# KiCad board Breakout_1999_Dodge_Dakota.kicad_pcb (continued)
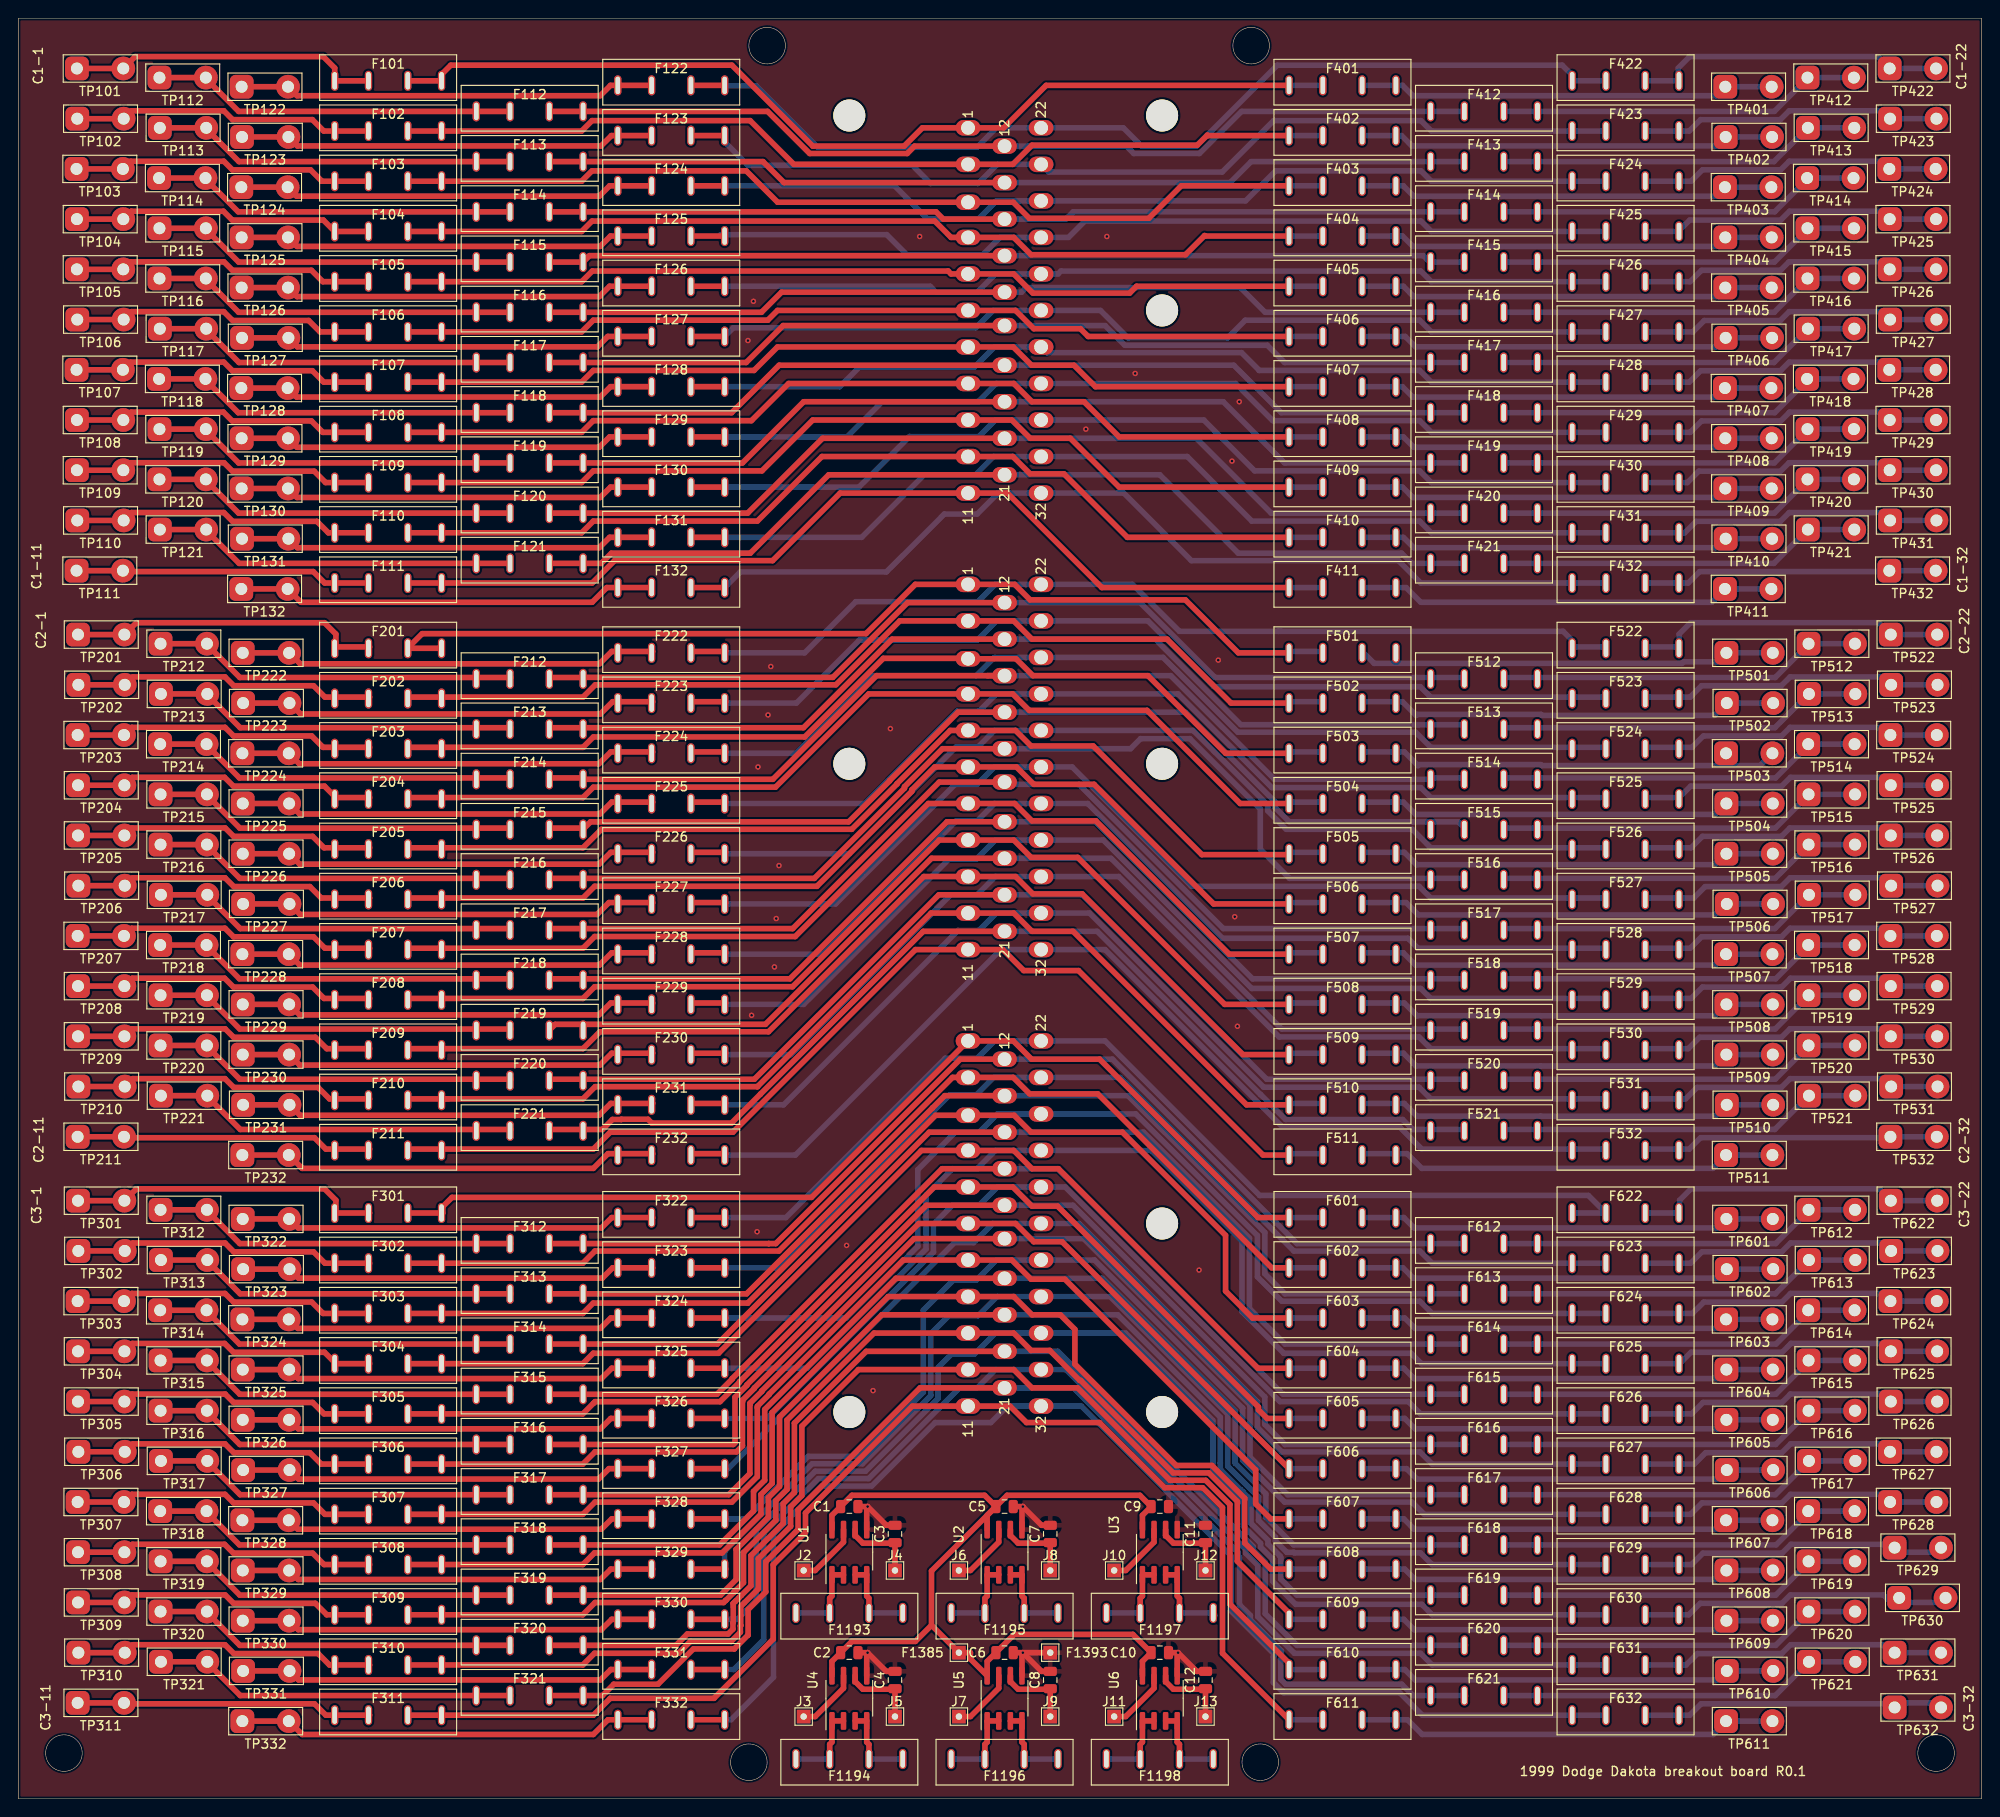
[diagram p0: board, top side]
## Placement (name value [footprint] x y rotation side) (continued)
TP214  TestPoint_2Pole  [TestPoint_2Pads_Pitch5.08mm_Drill1.3mm]  15.54 115.5 0 top
TP215  TestPoint_2Pole  [TestPoint_2Pads_Pitch5.08mm_Drill1.3mm]  15.58 110 0 top
TP216  TestPoint_2Pole  [TestPoint_2Pads_Pitch5.08mm_Drill1.3mm]  15.58 104.5 0 top
TP217  TestPoint_2Pole  [TestPoint_2Pads_Pitch5.08mm_Drill1.3mm]  15.62 99 0 top
TP218  TestPoint_2Pole  [TestPoint_2Pads_Pitch5.08mm_Drill1.3mm]  15.54 93.5 0 top
TP219  TestPoint_2Pole  [TestPoint_2Pads_Pitch5.08mm_Drill1.3mm]  15.58 88 0 top
TP220  TestPoint_2Pole  [TestPoint_2Pads_Pitch5.08mm_Drill1.3mm]  15.58 82.5 0 top
TP221  TestPoint_2Pole  [TestPoint_2Pads_Pitch5.08mm_Drill1.3mm]  15.62 77 0 top
TP222  TestPoint_2Pole  [TestPoint_2Pads_Pitch5.08mm_Drill1.3mm]  24.58 125.5 0 top
TP223  TestPoint_2Pole  [TestPoint_2Pads_Pitch5.08mm_Drill1.3mm]  24.62 120 0 top
TP224  TestPoint_2Pole  [TestPoint_2Pads_Pitch5.08mm_Drill1.3mm]  24.54 114.5 0 top
TP225  TestPoint_2Pole  [TestPoint_2Pads_Pitch5.08mm_Drill1.3mm]  24.58 109 0 top
TP226  TestPoint_2Pole  [TestPoint_2Pads_Pitch5.08mm_Drill1.3mm]  24.58 103.5 0 top
TP227  TestPoint_2Pole  [TestPoint_2Pads_Pitch5.08mm_Drill1.3mm]  24.62 98 0 top
TP228  TestPoint_2Pole  [TestPoint_2Pads_Pitch5.08mm_Drill1.3mm]  24.54 92.5 0 top
TP229  TestPoint_2Pole  [TestPoint_2Pads_Pitch5.08mm_Drill1.3mm]  24.58 87 0 top
TP230  TestPoint_2Pole  [TestPoint_2Pads_Pitch5.08mm_Drill1.3mm]  24.58 81.5 0 top
TP231  TestPoint_2Pole  [TestPoint_2Pads_Pitch5.08mm_Drill1.3mm]  24.62 76 0 top
TP232  TestPoint_2Pole  [TestPoint_2Pads_Pitch5.08mm_Drill1.3mm]  24.54 70.5 0 top
TP301  TestPoint_2Pole  [TestPoint_2Pads_Pitch5.08mm_Drill1.3mm]  6.54 65.5 0 top
TP302  TestPoint_2Pole  [TestPoint_2Pads_Pitch5.08mm_Drill1.3mm]  6.58 60 0 top
TP303  TestPoint_2Pole  [TestPoint_2Pads_Pitch5.08mm_Drill1.3mm]  6.5 54.5 0 top
TP304  TestPoint_2Pole  [TestPoint_2Pads_Pitch5.08mm_Drill1.3mm]  6.54 49 0 top
TP305  TestPoint_2Pole  [TestPoint_2Pads_Pitch5.08mm_Drill1.3mm]  6.54 43.5 0 top
TP306  TestPoint_2Pole  [TestPoint_2Pads_Pitch5.08mm_Drill1.3mm]  6.58 38 0 top
TP307  TestPoint_2Pole  [TestPoint_2Pads_Pitch5.08mm_Drill1.3mm]  6.5 32.5 0 top
TP308  TestPoint_2Pole  [TestPoint_2Pads_Pitch5.08mm_Drill1.3mm]  6.54 27 0 top
TP309  TestPoint_2Pole  [TestPoint_2Pads_Pitch5.08mm_Drill1.3mm]  6.54 21.5 0 top
TP310  TestPoint_2Pole  [TestPoint_2Pads_Pitch5.08mm_Drill1.3mm]  6.58 16 0 top
TP311  TestPoint_2Pole  [TestPoint_2Pads_Pitch5.08mm_Drill1.3mm]  6.5 10.5 0 top
TP312  TestPoint_2Pole  [TestPoint_2Pads_Pitch5.08mm_Drill1.3mm]  15.58 64.5 0 top
TP313  TestPoint_2Pole  [TestPoint_2Pads_Pitch5.08mm_Drill1.3mm]  15.62 59 0 top
TP314  TestPoint_2Pole  [TestPoint_2Pads_Pitch5.08mm_Drill1.3mm]  15.54 53.5 0 top
TP315  TestPoint_2Pole  [TestPoint_2Pads_Pitch5.08mm_Drill1.3mm]  15.58 48 0 top
TP316  TestPoint_2Pole  [TestPoint_2Pads_Pitch5.08mm_Drill1.3mm]  15.58 42.5 0 top
TP317  TestPoint_2Pole  [TestPoint_2Pads_Pitch5.08mm_Drill1.3mm]  15.62 37 0 top
TP318  TestPoint_2Pole  [TestPoint_2Pads_Pitch5.08mm_Drill1.3mm]  15.54 31.5 0 top
TP319  TestPoint_2Pole  [TestPoint_2Pads_Pitch5.08mm_Drill1.3mm]  15.58 26 0 top
TP320  TestPoint_2Pole  [TestPoint_2Pads_Pitch5.08mm_Drill1.3mm]  15.58 20.5 0 top
TP321  TestPoint_2Pole  [TestPoint_2Pads_Pitch5.08mm_Drill1.3mm]  15.62 15 0 top
TP322  TestPoint_2Pole  [TestPoint_2Pads_Pitch5.08mm_Drill1.3mm]  24.58 63.5 0 top
TP323  TestPoint_2Pole  [TestPoint_2Pads_Pitch5.08mm_Drill1.3mm]  24.62 58 0 top
TP324  TestPoint_2Pole  [TestPoint_2Pads_Pitch5.08mm_Drill1.3mm]  24.54 52.5 0 top
TP325  TestPoint_2Pole  [TestPoint_2Pads_Pitch5.08mm_Drill1.3mm]  24.58 47 0 top
TP326  TestPoint_2Pole  [TestPoint_2Pads_Pitch5.08mm_Drill1.3mm]  24.58 41.5 0 top
TP327  TestPoint_2Pole  [TestPoint_2Pads_Pitch5.08mm_Drill1.3mm]  24.62 36 0 top
TP328  TestPoint_2Pole  [TestPoint_2Pads_Pitch5.08mm_Drill1.3mm]  24.54 30.5 0 top
TP329  TestPoint_2Pole  [TestPoint_2Pads_Pitch5.08mm_Drill1.3mm]  24.58 25 0 top
TP330  TestPoint_2Pole  [TestPoint_2Pads_Pitch5.08mm_Drill1.3mm]  24.58 19.5 0 top
TP331  TestPoint_2Pole  [TestPoint_2Pads_Pitch5.08mm_Drill1.3mm]  24.62 14 0 top
TP332  TestPoint_2Pole  [TestPoint_2Pads_Pitch5.08mm_Drill1.3mm]  24.54 8.5 0 top
TP401  TestPoint_2Pole  [TestPoint_2Pads_Pitch5.08mm_Drill1.3mm]  186.92 187.5 0 top
TP402  TestPoint_2Pole  [TestPoint_2Pads_Pitch5.08mm_Drill1.3mm]  186.96 182 0 top
TP403  TestPoint_2Pole  [TestPoint_2Pads_Pitch5.08mm_Drill1.3mm]  186.88 176.5 0 top
TP404  TestPoint_2Pole  [TestPoint_2Pads_Pitch5.08mm_Drill1.3mm]  186.92 171 0 top
TP405  TestPoint_2Pole  [TestPoint_2Pads_Pitch5.08mm_Drill1.3mm]  186.92 165.5 0 top
TP406  TestPoint_2Pole  [TestPoint_2Pads_Pitch5.08mm_Drill1.3mm]  186.96 160 0 top
TP407  TestPoint_2Pole  [TestPoint_2Pads_Pitch5.08mm_Drill1.3mm]  186.88 154.5 0 top
TP408  TestPoint_2Pole  [TestPoint_2Pads_Pitch5.08mm_Drill1.3mm]  186.92 149 0 top
TP409  TestPoint_2Pole  [TestPoint_2Pads_Pitch5.08mm_Drill1.3mm]  186.92 143.5 0 top
TP410  TestPoint_2Pole  [TestPoint_2Pads_Pitch5.08mm_Drill1.3mm]  186.96 138 0 top
TP411  TestPoint_2Pole  [TestPoint_2Pads_Pitch5.08mm_Drill1.3mm]  186.88 132.5 0 top
TP412  TestPoint_2Pole  [TestPoint_2Pads_Pitch5.08mm_Drill1.3mm]  195.92 188.5 0 top
TP413  TestPoint_2Pole  [TestPoint_2Pads_Pitch5.08mm_Drill1.3mm]  195.96 183 0 top
TP414  TestPoint_2Pole  [TestPoint_2Pads_Pitch5.08mm_Drill1.3mm]  195.88 177.5 0 top
TP415  TestPoint_2Pole  [TestPoint_2Pads_Pitch5.08mm_Drill1.3mm]  195.92 172 0 top
TP416  TestPoint_2Pole  [TestPoint_2Pads_Pitch5.08mm_Drill1.3mm]  195.92 166.5 0 top
TP417  TestPoint_2Pole  [TestPoint_2Pads_Pitch5.08mm_Drill1.3mm]  195.96 161 0 top
TP418  TestPoint_2Pole  [TestPoint_2Pads_Pitch5.08mm_Drill1.3mm]  195.88 155.5 0 top
TP419  TestPoint_2Pole  [TestPoint_2Pads_Pitch5.08mm_Drill1.3mm]  195.92 150 0 top
TP420  TestPoint_2Pole  [TestPoint_2Pads_Pitch5.08mm_Drill1.3mm]  195.92 144.5 0 top
TP421  TestPoint_2Pole  [TestPoint_2Pads_Pitch5.08mm_Drill1.3mm]  195.96 139 0 top
TP422  TestPoint_2Pole  [TestPoint_2Pads_Pitch5.08mm_Drill1.3mm]  204.92 189.5 0 top
TP423  TestPoint_2Pole  [TestPoint_2Pads_Pitch5.08mm_Drill1.3mm]  204.96 184 0 top
TP424  TestPoint_2Pole  [TestPoint_2Pads_Pitch5.08mm_Drill1.3mm]  204.88 178.5 0 top
TP425  TestPoint_2Pole  [TestPoint_2Pads_Pitch5.08mm_Drill1.3mm]  204.92 173 0 top
TP426  TestPoint_2Pole  [TestPoint_2Pads_Pitch5.08mm_Drill1.3mm]  204.92 167.5 0 top
TP427  TestPoint_2Pole  [TestPoint_2Pads_Pitch5.08mm_Drill1.3mm]  204.96 162 0 top
TP428  TestPoint_2Pole  [TestPoint_2Pads_Pitch5.08mm_Drill1.3mm]  204.88 156.5 0 top
TP429  TestPoint_2Pole  [TestPoint_2Pads_Pitch5.08mm_Drill1.3mm]  204.92 151 0 top
TP430  TestPoint_2Pole  [TestPoint_2Pads_Pitch5.08mm_Drill1.3mm]  204.92 145.5 0 top
TP431  TestPoint_2Pole  [TestPoint_2Pads_Pitch5.08mm_Drill1.3mm]  204.96 140 0 top
TP432  TestPoint_2Pole  [TestPoint_2Pads_Pitch5.08mm_Drill1.3mm]  204.88 134.5 0 top
TP501  TestPoint_2Pole  [TestPoint_2Pads_Pitch5.08mm_Drill1.3mm]  187.04 125.5 0 top
TP502  TestPoint_2Pole  [TestPoint_2Pads_Pitch5.08mm_Drill1.3mm]  187.08 120 0 top
TP503  TestPoint_2Pole  [TestPoint_2Pads_Pitch5.08mm_Drill1.3mm]  187 114.5 0 top
TP504  TestPoint_2Pole  [TestPoint_2Pads_Pitch5.08mm_Drill1.3mm]  187.04 109 0 top
TP505  TestPoint_2Pole  [TestPoint_2Pads_Pitch5.08mm_Drill1.3mm]  187.04 103.5 0 top
TP506  TestPoint_2Pole  [TestPoint_2Pads_Pitch5.08mm_Drill1.3mm]  187.08 98 0 top
TP507  TestPoint_2Pole  [TestPoint_2Pads_Pitch5.08mm_Drill1.3mm]  187 92.5 0 top
TP508  TestPoint_2Pole  [TestPoint_2Pads_Pitch5.08mm_Drill1.3mm]  187.04 87 0 top
TP509  TestPoint_2Pole  [TestPoint_2Pads_Pitch5.08mm_Drill1.3mm]  187.04 81.5 0 top
TP510  TestPoint_2Pole  [TestPoint_2Pads_Pitch5.08mm_Drill1.3mm]  187.08 76 0 top
TP511  TestPoint_2Pole  [TestPoint_2Pads_Pitch5.08mm_Drill1.3mm]  187 70.5 0 top
TP512  TestPoint_2Pole  [TestPoint_2Pads_Pitch5.08mm_Drill1.3mm]  196.04 126.5 0 top
TP513  TestPoint_2Pole  [TestPoint_2Pads_Pitch5.08mm_Drill1.3mm]  196.08 121 0 top
TP514  TestPoint_2Pole  [TestPoint_2Pads_Pitch5.08mm_Drill1.3mm]  196 115.5 0 top
TP515  TestPoint_2Pole  [TestPoint_2Pads_Pitch5.08mm_Drill1.3mm]  196.04 110 0 top
TP516  TestPoint_2Pole  [TestPoint_2Pads_Pitch5.08mm_Drill1.3mm]  196.04 104.5 0 top
TP517  TestPoint_2Pole  [TestPoint_2Pads_Pitch5.08mm_Drill1.3mm]  196.08 99 0 top
TP518  TestPoint_2Pole  [TestPoint_2Pads_Pitch5.08mm_Drill1.3mm]  196 93.5 0 top
TP519  TestPoint_2Pole  [TestPoint_2Pads_Pitch5.08mm_Drill1.3mm]  196.04 88 0 top
TP520  TestPoint_2Pole  [TestPoint_2Pads_Pitch5.08mm_Drill1.3mm]  196.04 82.5 0 top
TP521  TestPoint_2Pole  [TestPoint_2Pads_Pitch5.08mm_Drill1.3mm]  196.08 77 0 top
TP522  TestPoint_2Pole  [TestPoint_2Pads_Pitch5.08mm_Drill1.3mm]  205.04 127.5 0 top
TP523  TestPoint_2Pole  [TestPoint_2Pads_Pitch5.08mm_Drill1.3mm]  205.08 122 0 top
TP524  TestPoint_2Pole  [TestPoint_2Pads_Pitch5.08mm_Drill1.3mm]  205 116.5 0 top
TP525  TestPoint_2Pole  [TestPoint_2Pads_Pitch5.08mm_Drill1.3mm]  205.04 111 0 top
TP526  TestPoint_2Pole  [TestPoint_2Pads_Pitch5.08mm_Drill1.3mm]  205.04 105.5 0 top
TP527  TestPoint_2Pole  [TestPoint_2Pads_Pitch5.08mm_Drill1.3mm]  205.08 100 0 top
TP528  TestPoint_2Pole  [TestPoint_2Pads_Pitch5.08mm_Drill1.3mm]  205 94.5 0 top
TP529  TestPoint_2Pole  [TestPoint_2Pads_Pitch5.08mm_Drill1.3mm]  205.04 89 0 top
TP530  TestPoint_2Pole  [TestPoint_2Pads_Pitch5.08mm_Drill1.3mm]  205.04 83.5 0 top
TP531  TestPoint_2Pole  [TestPoint_2Pads_Pitch5.08mm_Drill1.3mm]  205.08 78 0 top
TP532  TestPoint_2Pole  [TestPoint_2Pads_Pitch5.08mm_Drill1.3mm]  205 72.5 0 top
TP601  TestPoint_2Pole  [TestPoint_2Pads_Pitch5.08mm_Drill1.3mm]  187.04 63.5 0 top
TP602  TestPoint_2Pole  [TestPoint_2Pads_Pitch5.08mm_Drill1.3mm]  187.08 58 0 top
TP603  TestPoint_2Pole  [TestPoint_2Pads_Pitch5.08mm_Drill1.3mm]  187 52.5 0 top
TP604  TestPoint_2Pole  [TestPoint_2Pads_Pitch5.08mm_Drill1.3mm]  187.04 47 0 top
TP605  TestPoint_2Pole  [TestPoint_2Pads_Pitch5.08mm_Drill1.3mm]  187.04 41.5 0 top
TP606  TestPoint_2Pole  [TestPoint_2Pads_Pitch5.08mm_Drill1.3mm]  187.08 36 0 top
TP607  TestPoint_2Pole  [TestPoint_2Pads_Pitch5.08mm_Drill1.3mm]  187 30.5 0 top
TP608  TestPoint_2Pole  [TestPoint_2Pads_Pitch5.08mm_Drill1.3mm]  187.04 25 0 top
TP609  TestPoint_2Pole  [TestPoint_2Pads_Pitch5.08mm_Drill1.3mm]  187.04 19.5 0 top
TP610  TestPoint_2Pole  [TestPoint_2Pads_Pitch5.08mm_Drill1.3mm]  187.08 14 0 top
TP611  TestPoint_2Pole  [TestPoint_2Pads_Pitch5.08mm_Drill1.3mm]  187 8.5 0 top
TP612  TestPoint_2Pole  [TestPoint_2Pads_Pitch5.08mm_Drill1.3mm]  196.04 64.5 0 top
TP613  TestPoint_2Pole  [TestPoint_2Pads_Pitch5.08mm_Drill1.3mm]  196.08 59 0 top
TP614  TestPoint_2Pole  [TestPoint_2Pads_Pitch5.08mm_Drill1.3mm]  196 53.5 0 top
TP615  TestPoint_2Pole  [TestPoint_2Pads_Pitch5.08mm_Drill1.3mm]  196.04 48 0 top
TP616  TestPoint_2Pole  [TestPoint_2Pads_Pitch5.08mm_Drill1.3mm]  196.04 42.5 0 top
TP617  TestPoint_2Pole  [TestPoint_2Pads_Pitch5.08mm_Drill1.3mm]  196.08 37 0 top
TP618  TestPoint_2Pole  [TestPoint_2Pads_Pitch5.08mm_Drill1.3mm]  196 31.5 0 top
TP619  TestPoint_2Pole  [TestPoint_2Pads_Pitch5.08mm_Drill1.3mm]  196.04 26 0 top
TP620  TestPoint_2Pole  [TestPoint_2Pads_Pitch5.08mm_Drill1.3mm]  196.04 20.5 0 top
TP621  TestPoint_2Pole  [TestPoint_2Pads_Pitch5.08mm_Drill1.3mm]  196.08 15 0 top
TP622  TestPoint_2Pole  [TestPoint_2Pads_Pitch5.08mm_Drill1.3mm]  205.04 65.5 0 top
TP623  TestPoint_2Pole  [TestPoint_2Pads_Pitch5.08mm_Drill1.3mm]  205.08 60 0 top
TP624  TestPoint_2Pole  [TestPoint_2Pads_Pitch5.08mm_Drill1.3mm]  205 54.5 0 top
TP625  TestPoint_2Pole  [TestPoint_2Pads_Pitch5.08mm_Drill1.3mm]  205.04 49 0 top
TP626  TestPoint_2Pole  [TestPoint_2Pads_Pitch5.08mm_Drill1.3mm]  205.04 43.5 0 top
TP627  TestPoint_2Pole  [TestPoint_2Pads_Pitch5.08mm_Drill1.3mm]  204.96 38 0 top
TP628  TestPoint_2Pole  [TestPoint_2Pads_Pitch5.08mm_Drill1.3mm]  204.96 32.5 0 top
TP629  TestPoint_2Pole  [TestPoint_2Pads_Pitch5.08mm_Drill1.3mm]  205.46 27.5 0 top
TP630  TestPoint_2Pole  [TestPoint_2Pads_Pitch5.08mm_Drill1.3mm]  205.96 22 0 top
TP631  TestPoint_2Pole  [TestPoint_2Pads_Pitch5.08mm_Drill1.3mm]  205.46 16 0 top
TP632  TestPoint_2Pole  [TestPoint_2Pads_Pitch5.08mm_Drill1.3mm]  205.46 10 0 top
U1  ACS712xLCTR-20A  [SOIC-8_3.9x4.9mm_P1.27mm]  91 27 90 top
U2  ACS712xLCTR-20A  [SOIC-8_3.9x4.9mm_P1.27mm]  108 27 90 top
U3  ACS712xLCTR-20A  [SOIC-8_3.9x4.9mm_P1.27mm]  125 27 90 top
U4  ACS712xLCTR-20A  [SOIC-8_3.9x4.9mm_P1.27mm]  91 11 90 top
U5  ACS712xLCTR-20A  [SOIC-8_3.9x4.9mm_P1.27mm]  108 11 90 top
U6  ACS712xLCTR-20A  [SOIC-8_3.9x4.9mm_P1.27mm]  125 11 90 top

## Library data of the parts
C1 C2 C5 C6 C9 C10 = -: LCSC: C49678
C3 C4 C7 C8 C11 C12 = -: LCSC: C46653
F101-F132 F201-F232 F301-F332 F401-F432 F501-F532 F601-F632 F1193-F1198 = -: LCSC: C2935870
F1385 F1393 J1-J13 TP101-TP132 TP201-TP232 TP301-TP332 TP401-TP432 TP501-TP532 TP601-TP632 = -: LCSC: NA
U1-U6 = -: LCSC: C10681

## Footprints (pads in the part's own frame, mm; a bottom-side part is the same pattern mirrored in y, then rotated)
1999_Dodge_Connector_32x3cons
  round 4 hole 3.5 unplated: (-1.35,-21.25) (-1.35,13) (20,-21.25) (69.65,-21.25) (69.65,13) (120,-21.25) (140.65,-21.25) (140.65,13)
  oval 1.7x2.7 hole 1.5: c1-1(0,0) c1-2(4,0) c1-3(8.15,0) c1-4(12,0) c1-5(16,0) c1-6(20,0) c1-7(24,0) c1-8(28,0) c1-9(32,0) c1-10(36,0) c1-11(40,0) c1-12(2,-4) c1-13(6,-4) c1-14(10,-4) c1-15(14,-4) c1-16(18,-4) c1-17(21.658,-4) c1-18(26,-4) c1-19(30,-4) c1-20(34,-4) c1-21(38,-4) c1-22(0,-8) c1-23(4,-8) c1-24(8,-8) c1-25(12,-8) c1-26(16,-8) c1-27(20,-8) c1-28(24,-8) c1-29(28,-8) c1-30(32,-8) c1-31(36,-8) c1-32(40,-8) c2-1(50,0) c2-2(54,0) c2-3(58.15,0) c2-4(62,0) c2-5(66,0) c2-6(70,0) c2-7(74,0) c2-8(78,0) c2-9(82,0) c2-10(86,0) c2-11(90,0) c2-12(52,-4) c2-13(56,-4) c2-14(60,-4) c2-15(64,-4) c2-16(68,-4) c2-17(71.658,-4) c2-18(76,-4) c2-19(80,-4) c2-20(84,-4) c2-21(88,-4) c2-22(50,-8) c2-23(54,-8) c2-24(58,-8) c2-25(62,-8) c2-26(66,-8) c2-27(70,-8) c2-28(74,-8) c2-29(78,-8) c2-30(82,-8) c2-31(86,-8) c2-32(90,-8) c3-1(100,0) c3-2(104,0) c3-3(108.15,0) c3-4(112,0) c3-5(116,0) c3-6(120,0) c3-7(124,0) c3-8(128,0) c3-9(132,0) c3-10(136,0) c3-11(140,0) c3-12(102,-4) c3-13(106,-4) c3-14(110,-4) c3-15(114,-4) c3-16(118,-4) c3-17(121.658,-4) c3-18(126,-4) c3-19(130,-4) c3-20(134,-4) c3-21(138,-4) c3-22(100,-8) c3-23(104,-8) c3-24(108,-8) c3-25(112,-8) c3-26(116,-8) c3-27(120,-8) c3-28(124,-8) c3-29(128,-8) c3-30(132,-8) c3-31(136,-8) c3-32(140,-8)
C_0805_2012Metric
  rrect 1x1.45 smd: 1(-0.95,0) 2(0.95,0)
LCSC_C2935870_Fuse_holder
  oval 0.8x2.2 hole 0.5x1.9: 1(-5.85,-0.35) 1(-2.15,-0.35) 2(2.15,-0.35) 2(5.85,-0.35)
SOIC-8_3.9x4.9mm_P1.27mm
  rrect 1.95x0.6 smd: 1(-2.475,1.905) 2(-2.475,0.635) 3(-2.475,-0.635) 4(-2.475,-1.905) 5(2.475,-1.905) 6(2.475,-0.635) 7(2.475,0.635) 8(2.475,1.905)
TestPoint_2Pads_Pitch5.08mm_Drill1.3mm
  rrect 2.6x2.6 hole 1.3: 1(0,0)
  round 2.6 hole 1.3: 2(5.08,0)
TestPoint_THTPad_1.5x1.5mm_Drill0.7mm
  rect 1.5x1.5 hole 0.7: 1(0,0)

## Nets
/GND: C1.2 C2.2 C3.2 C4.2 C5.2 C6.2 C7.2 C8.2 C9.2 C10.2 C11.2 C12.2 F1393.1 U1.5 U2.5 U3.5 U4.5 U5.5 U6.5
/VCC: C1.1 C2.1 C5.1 C6.1 C9.1 C10.1 F1385.1 U1.8 U2.8 U3.8 U4.8 U5.8 U6.8
Net-(C3-Pad1): C3.1 J4.1 U1.6
Net-(C4-Pad1): C4.1 J5.1 U4.6
Net-(C7-Pad1): C7.1 J8.1 U2.6
Net-(C8-Pad1): C8.1 J9.1 U5.6
Net-(C11-Pad1): C11.1 J12.1 U3.6
Net-(C12-Pad1): C12.1 J13.1 U6.6
Net-(F101-Pad1): F101.1 TP101.1 TP101.2
Net-(F101-Pad2): F101.2 F401.1 J1.c1-1
Net-(F102-Pad1): F102.1 TP102.1 TP102.2
Net-(F102-Pad2): F102.2 F402.1 J1.c1-2
Net-(F103-Pad1): F103.1 TP103.1 TP103.2
Net-(F103-Pad2): F103.2 F403.1 J1.c1-3
Net-(F104-Pad1): F104.1 TP104.1 TP104.2
Net-(F104-Pad2): F104.2 F404.1 J1.c1-4
Net-(F105-Pad1): F105.1 TP105.1 TP105.2
Net-(F105-Pad2): F105.2 F405.1 J1.c1-5
Net-(F106-Pad1): F106.1 TP106.1 TP106.2
Net-(F106-Pad2): F106.2 F406.1 J1.c1-6
Net-(F107-Pad1): F107.1 TP107.1 TP107.2
Net-(F107-Pad2): F107.2 F407.1 J1.c1-7
Net-(F108-Pad1): F108.1 TP108.1 TP108.2
Net-(F108-Pad2): F108.2 F408.1 J1.c1-8
Net-(F109-Pad1): F109.1 TP109.1 TP109.2
Net-(F109-Pad2): F109.2 F409.1 J1.c1-9
Net-(F110-Pad1): F110.1 TP110.1 TP110.2
Net-(F110-Pad2): F110.2 F410.1 J1.c1-10
Net-(F111-Pad1): F111.1 TP111.1 TP111.2
Net-(F111-Pad2): F111.2 F411.1 J1.c1-11
Net-(F112-Pad1): F112.1 TP112.1 TP112.2
Net-(F112-Pad2): F112.2 F412.1 J1.c1-12
Net-(F113-Pad1): F113.1 TP113.1 TP113.2
Net-(F113-Pad2): F113.2 F413.1 J1.c1-13
Net-(F114-Pad1): F114.1 TP114.1 TP114.2
Net-(F114-Pad2): F114.2 F414.1 J1.c1-14
Net-(F115-Pad1): F115.1 TP115.1 TP115.2
Net-(F115-Pad2): F115.2 F415.1 J1.c1-15
Net-(F116-Pad1): F116.1 TP116.1 TP116.2
Net-(F116-Pad2): F116.2 F416.1 J1.c1-16
Net-(F117-Pad1): F117.1 TP117.1 TP117.2
Net-(F117-Pad2): F117.2 F417.1 J1.c1-17
Net-(F118-Pad1): F118.1 TP118.1 TP118.2
Net-(F118-Pad2): F118.2 F418.1 J1.c1-18
Net-(F119-Pad1): F119.1 TP119.1 TP119.2
Net-(F119-Pad2): F119.2 F419.1 J1.c1-19
Net-(F120-Pad1): F120.1 TP120.1 TP120.2
Net-(F120-Pad2): F120.2 F420.1 J1.c1-20
Net-(F121-Pad1): F121.1 TP121.1 TP121.2
Net-(F121-Pad2): F121.2 F421.1 J1.c1-21
Net-(F122-Pad1): F122.1 TP122.1 TP122.2
Net-(F122-Pad2): F122.2 F422.1 J1.c1-22
Net-(F123-Pad1): F123.1 TP123.1 TP123.2
Net-(F123-Pad2): F123.2 F423.1 J1.c1-23
Net-(F124-Pad1): F124.1 TP124.1 TP124.2
Net-(F124-Pad2): F124.2 F424.1 J1.c1-24
Net-(F125-Pad1): F125.1 TP125.1 TP125.2
Net-(F125-Pad2): F125.2 F425.1 J1.c1-25
Net-(F126-Pad1): F126.1 TP126.1 TP126.2
Net-(F126-Pad2): F126.2 F426.1 J1.c1-26
Net-(F127-Pad1): F127.1 TP127.1 TP127.2
Net-(F127-Pad2): F127.2 F427.1 J1.c1-27
Net-(F128-Pad1): F128.1 TP128.1 TP128.2
Net-(F128-Pad2): F128.2 F428.1 J1.c1-28
Net-(F129-Pad1): F129.1 TP129.1 TP129.2
Net-(F129-Pad2): F129.2 F429.1 J1.c1-29
Net-(F130-Pad1): F130.1 TP130.1 TP130.2
Net-(F130-Pad2): F130.2 F430.1 J1.c1-30
Net-(F131-Pad1): F131.1 TP131.1 TP131.2
Net-(F131-Pad2): F131.2 F431.1 J1.c1-31
Net-(F132-Pad1): F132.1 TP132.1 TP132.2
Net-(F132-Pad2): F132.2 F432.1 J1.c1-32
Net-(F201-Pad1): F201.1 TP201.1 TP201.2
Net-(F201-Pad2): F201.2 F501.1 J1.c2-1
Net-(F202-Pad1): F202.1 TP202.1 TP202.2
Net-(F202-Pad2): F202.2 F502.1 J1.c2-2
Net-(F203-Pad1): F203.1 TP203.1 TP203.2
Net-(F203-Pad2): F203.2 F503.1 J1.c2-3
Net-(F204-Pad1): F204.1 TP204.1 TP204.2
Net-(F204-Pad2): F204.2 F504.1 J1.c2-4
Net-(F205-Pad1): F205.1 TP205.1 TP205.2
Net-(F205-Pad2): F205.2 F505.1 J1.c2-5
Net-(F206-Pad1): F206.1 TP206.1 TP206.2
Net-(F206-Pad2): F206.2 F506.1 J1.c2-6
Net-(F207-Pad1): F207.1 TP207.1 TP207.2
Net-(F207-Pad2): F207.2 F507.1 J1.c2-7
Net-(F208-Pad1): F208.1 TP208.1 TP208.2
Net-(F208-Pad2): F208.2 F508.1 J1.c2-8
Net-(F209-Pad1): F209.1 TP209.1 TP209.2
Net-(F209-Pad2): F209.2 F509.1 J1.c2-9
Net-(F210-Pad1): F210.1 TP210.1 TP210.2
Net-(F210-Pad2): F210.2 F510.1 J1.c2-10
Net-(F211-Pad1): F211.1 TP211.1 TP211.2
Net-(F211-Pad2): F211.2 F511.1 J1.c2-11
Net-(F212-Pad1): F212.1 TP212.1 TP212.2
Net-(F212-Pad2): F212.2 F512.1 J1.c2-12
Net-(F213-Pad1): F213.1 TP213.1 TP213.2
Net-(F213-Pad2): F213.2 F513.1 J1.c2-13
Net-(F214-Pad1): F214.1 TP214.1 TP214.2
Net-(F214-Pad2): F214.2 F514.1 J1.c2-14
Net-(F215-Pad1): F215.1 TP215.1 TP215.2
Net-(F215-Pad2): F215.2 F515.1 J1.c2-15
Net-(F216-Pad1): F216.1 TP216.1 TP216.2
Net-(F216-Pad2): F216.2 F516.1 J1.c2-16
Net-(F217-Pad1): F217.1 TP217.1 TP217.2
Net-(F217-Pad2): F217.2 F517.1 J1.c2-17
Net-(F218-Pad1): F218.1 TP218.1 TP218.2
Net-(F218-Pad2): F218.2 F518.1 J1.c2-18
Net-(F219-Pad1): F219.1 TP219.1 TP219.2
Net-(F219-Pad2): F219.2 F519.1 J1.c2-19
Net-(F220-Pad1): F220.1 TP220.1 TP220.2
Net-(F220-Pad2): F220.2 F520.1 J1.c2-20
Net-(F221-Pad1): F221.1 TP221.1 TP221.2
Net-(F221-Pad2): F221.2 F521.1 J1.c2-21
Net-(F222-Pad1): F222.1 TP222.1 TP222.2
Net-(F222-Pad2): F222.2 F522.1 J1.c2-22
Net-(F223-Pad1): F223.1 TP223.1 TP223.2
Net-(F223-Pad2): F223.2 F523.1 J1.c2-23
Net-(F224-Pad1): F224.1 TP224.1 TP224.2
Net-(F224-Pad2): F224.2 F524.1 J1.c2-24
Net-(F225-Pad1): F225.1 TP225.1 TP225.2
Net-(F225-Pad2): F225.2 F525.1 J1.c2-25
Net-(F226-Pad1): F226.1 TP226.1 TP226.2
Net-(F226-Pad2): F226.2 F526.1 J1.c2-26
Net-(F227-Pad1): F227.1 TP227.1 TP227.2
Net-(F227-Pad2): F227.2 F527.1 J1.c2-27
Net-(F228-Pad1): F228.1 TP228.1 TP228.2
Net-(F228-Pad2): F228.2 F528.1 J1.c2-28
Net-(F229-Pad1): F229.1 TP229.1 TP229.2
Net-(F229-Pad2): F229.2 F529.1 J1.c2-29
Net-(F230-Pad1): F230.1 TP230.1 TP230.2
Net-(F230-Pad2): F230.2 F530.1 J1.c2-30
Net-(F231-Pad1): F231.1 TP231.1 TP231.2
Net-(F231-Pad2): F231.2 F531.1 J1.c2-31
Net-(F232-Pad1): F232.1 TP232.1 TP232.2
Net-(F232-Pad2): F232.2 F532.1 J1.c2-32
Net-(F301-Pad1): F301.1 TP301.1 TP301.2
Net-(F301-Pad2): F301.2 F601.1 J1.c3-1
Net-(F302-Pad1): F302.1 TP302.1 TP302.2
Net-(F302-Pad2): F302.2 F602.1 J1.c3-2
Net-(F303-Pad1): F303.1 TP303.1 TP303.2
Net-(F303-Pad2): F303.2 F603.1 J1.c3-3
Net-(F304-Pad1): F304.1 TP304.1 TP304.2
Net-(F304-Pad2): F304.2 F604.1 J1.c3-4
Net-(F305-Pad1): F305.1 TP305.1 TP305.2
Net-(F305-Pad2): F305.2 F605.1 J1.c3-5
Net-(F306-Pad1): F306.1 TP306.1 TP306.2
Net-(F306-Pad2): F306.2 F606.1 J1.c3-6
Net-(F307-Pad1): F307.1 TP307.1 TP307.2
Net-(F307-Pad2): F307.2 F607.1 J1.c3-7
Net-(F308-Pad1): F308.1 TP308.1 TP308.2
Net-(F308-Pad2): F308.2 F608.1 J1.c3-8
Net-(F309-Pad1): F309.1 TP309.1 TP309.2
Net-(F309-Pad2): F309.2 F609.1 J1.c3-9
Net-(F310-Pad1): F310.1 TP310.1 TP310.2
Net-(F310-Pad2): F310.2 F610.1 J1.c3-10
Net-(F311-Pad1): F311.1 TP311.1 TP311.2
Net-(F311-Pad2): F311.2 F611.1 J1.c3-11
Net-(F312-Pad1): F312.1 TP312.1 TP312.2
Net-(F312-Pad2): F312.2 F612.1 J1.c3-12
Net-(F313-Pad1): F313.1 TP313.1 TP313.2
Net-(F313-Pad2): F313.2 F613.1 J1.c3-13
Net-(F314-Pad1): F314.1 TP314.1 TP314.2
Net-(F314-Pad2): F314.2 F614.1 J1.c3-14
Net-(F315-Pad1): F315.1 TP315.1 TP315.2
Net-(F315-Pad2): F315.2 F615.1 J1.c3-15
Net-(F316-Pad1): F316.1 TP316.1 TP316.2
Net-(F316-Pad2): F316.2 F616.1 J1.c3-16
Net-(F317-Pad1): F317.1 TP317.1 TP317.2
Net-(F317-Pad2): F317.2 F617.1 J1.c3-17
Net-(F318-Pad1): F318.1 TP318.1 TP318.2
Net-(F318-Pad2): F318.2 F618.1 J1.c3-18
Net-(F319-Pad1): F319.1 TP319.1 TP319.2
Net-(F319-Pad2): F319.2 F619.1 J1.c3-19
Net-(F320-Pad1): F320.1 TP320.1 TP320.2
Net-(F320-Pad2): F320.2 F620.1 J1.c3-20
Net-(F321-Pad1): F321.1 TP321.1 TP321.2
Net-(F321-Pad2): F321.2 F621.1 J1.c3-21
Net-(F322-Pad1): F322.1 TP322.1 TP322.2
Net-(F322-Pad2): F322.2 F622.1 J1.c3-22
Net-(F323-Pad1): F323.1 TP323.1 TP323.2
Net-(F323-Pad2): F323.2 F623.1 J1.c3-23
Net-(F324-Pad1): F324.1 TP324.1 TP324.2
Net-(F324-Pad2): F324.2 F624.1 J1.c3-24
Net-(F325-Pad1): F325.1 TP325.1 TP325.2
Net-(F325-Pad2): F325.2 F625.1 J1.c3-25
Net-(F326-Pad1): F326.1 TP326.1 TP326.2
Net-(F326-Pad2): F326.2 F626.1 J1.c3-26
Net-(F327-Pad1): F327.1 TP327.1 TP327.2
Net-(F327-Pad2): F327.2 F627.1 J1.c3-27
Net-(F328-Pad1): F328.1 TP328.1 TP328.2
Net-(F328-Pad2): F328.2 F628.1 J1.c3-28
Net-(F329-Pad1): F329.1 TP329.1 TP329.2
Net-(F329-Pad2): F329.2 F629.1 J1.c3-29
Net-(F330-Pad1): F330.1 TP330.1 TP330.2
Net-(F330-Pad2): F330.2 F630.1 J1.c3-30
Net-(F331-Pad1): F331.1 TP331.1 TP331.2
Net-(F331-Pad2): F331.2 F631.1 J1.c3-31
Net-(F332-Pad1): F332.1 TP332.1 TP332.2
Net-(F332-Pad2): F332.2 F632.1 J1.c3-32
Net-(F401-Pad2): F401.2 TP401.1 TP401.2
Net-(F402-Pad2): F402.2 TP402.1 TP402.2
Net-(F403-Pad2): F403.2 TP403.1 TP403.2
Net-(F404-Pad2): F404.2 TP404.1 TP404.2
Net-(F405-Pad2): F405.2 TP405.1 TP405.2
Net-(F406-Pad2): F406.2 TP406.1 TP406.2
Net-(F407-Pad2): F407.2 TP407.1 TP407.2
Net-(F408-Pad2): F408.2 TP408.1 TP408.2
Net-(F409-Pad2): F409.2 TP409.1 TP409.2
Net-(F410-Pad2): F410.2 TP410.1 TP410.2
Net-(F411-Pad2): F411.2 TP411.1 TP411.2
Net-(F412-Pad2): F412.2 TP412.1 TP412.2
Net-(F413-Pad2): F413.2 TP413.1 TP413.2
Net-(F414-Pad2): F414.2 TP414.1 TP414.2
Net-(F415-Pad2): F415.2 TP415.1 TP415.2
Net-(F416-Pad2): F416.2 TP416.1 TP416.2
Net-(F417-Pad2): F417.2 TP417.1 TP417.2
Net-(F418-Pad2): F418.2 TP418.1 TP418.2
Net-(F419-Pad2): F419.2 TP419.1 TP419.2
Net-(F420-Pad2): F420.2 TP420.1 TP420.2
Net-(F421-Pad2): F421.2 TP421.1 TP421.2
Net-(F422-Pad2): F422.2 TP422.1 TP422.2
Net-(F423-Pad2): F423.2 TP423.1 TP423.2
Net-(F424-Pad2): F424.2 TP424.1 TP424.2
Net-(F425-Pad2): F425.2 TP425.1 TP425.2
Net-(F426-Pad2): F426.2 TP426.1 TP426.2
Net-(F427-Pad2): F427.2 TP427.1 TP427.2
Net-(F428-Pad2): F428.2 TP428.1 TP428.2
Net-(F429-Pad2): F429.2 TP429.1 TP429.2
Net-(F430-Pad2): F430.2 TP430.1 TP430.2
Net-(F431-Pad2): F431.2 TP431.1 TP431.2
Net-(F432-Pad2): F432.2 TP432.1 TP432.2
Net-(F501-Pad2): F501.2 TP501.1 TP501.2
Net-(F502-Pad2): F502.2 TP502.1 TP502.2
Net-(F503-Pad2): F503.2 TP503.1 TP503.2
Net-(F504-Pad2): F504.2 TP504.1 TP504.2
Net-(F505-Pad2): F505.2 TP505.1 TP505.2
Net-(F506-Pad2): F506.2 TP506.1 TP506.2
Net-(F507-Pad2): F507.2 TP507.1 TP507.2
Net-(F508-Pad2): F508.2 TP508.1 TP508.2
Net-(F509-Pad2): F509.2 TP509.1 TP509.2
Net-(F510-Pad2): F510.2 TP510.1 TP510.2
Net-(F511-Pad2): F511.2 TP511.1 TP511.2
Net-(F512-Pad2): F512.2 TP512.1 TP512.2
Net-(F513-Pad2): F513.2 TP513.1 TP513.2
Net-(F514-Pad2): F514.2 TP514.1 TP514.2
Net-(F515-Pad2): F515.2 TP515.1 TP515.2
Net-(F516-Pad2): F516.2 TP516.1 TP516.2
Net-(F517-Pad2): F517.2 TP517.1 TP517.2
Net-(F518-Pad2): F518.2 TP518.1 TP518.2
Net-(F519-Pad2): F519.2 TP519.1 TP519.2
Net-(F520-Pad2): F520.2 TP520.1 TP520.2
Net-(F521-Pad2): F521.2 TP521.1 TP521.2
Net-(F522-Pad2): F522.2 TP522.1 TP522.2
Net-(F523-Pad2): F523.2 TP523.1 TP523.2
Net-(F524-Pad2): F524.2 TP524.1 TP524.2
Net-(F525-Pad2): F525.2 TP525.1 TP525.2
Net-(F526-Pad2): F526.2 TP526.1 TP526.2
Net-(F527-Pad2): F527.2 TP527.1 TP527.2
Net-(F528-Pad2): F528.2 TP528.1 TP528.2
Net-(F529-Pad2): F529.2 TP529.1 TP529.2
Net-(F530-Pad2): F530.2 TP530.1 TP530.2
Net-(F531-Pad2): F531.2 TP531.1 TP531.2
Net-(F532-Pad2): F532.2 TP532.1 TP532.2
Net-(F601-Pad2): F601.2 TP601.1 TP601.2
Net-(F602-Pad2): F602.2 TP602.1 TP602.2
Net-(F603-Pad2): F603.2 TP603.1 TP603.2
Net-(F604-Pad2): F604.2 TP604.1 TP604.2
Net-(F605-Pad2): F605.2 TP605.1 TP605.2
Net-(F606-Pad2): F606.2 TP606.1 TP606.2
Net-(F607-Pad2): F607.2 TP607.1 TP607.2
Net-(F608-Pad2): F608.2 TP608.1 TP608.2
Net-(F609-Pad2): F609.2 TP609.1 TP609.2
Net-(F610-Pad2): F610.2 TP610.1 TP610.2
Net-(F611-Pad2): F611.2 TP611.1 TP611.2
Net-(F612-Pad2): F612.2 TP612.1 TP612.2
Net-(F613-Pad2): F613.2 TP613.1 TP613.2
Net-(F614-Pad2): F614.2 TP614.1 TP614.2
Net-(F615-Pad2): F615.2 TP615.1 TP615.2
Net-(F616-Pad2): F616.2 TP616.1 TP616.2
Net-(F617-Pad2): F617.2 TP617.1 TP617.2
Net-(F618-Pad2): F618.2 TP618.1 TP618.2
Net-(F619-Pad2): F619.2 TP619.1 TP619.2
Net-(F620-Pad2): F620.2 TP620.1 TP620.2
Net-(F621-Pad2): F621.2 TP621.1 TP621.2
Net-(F622-Pad2): F622.2 TP622.1 TP622.2
Net-(F623-Pad2): F623.2 TP623.1 TP623.2
Net-(F624-Pad2): F624.2 TP624.1 TP624.2
Net-(F625-Pad2): F625.2 TP625.1 TP625.2
Net-(F626-Pad2): F626.2 TP626.1 TP626.2
Net-(F627-Pad2): F627.2 TP627.1 TP627.2
Net-(F628-Pad2): F628.2 TP628.1 TP628.2
Net-(F629-Pad2): F629.2 TP629.1 TP629.2
Net-(F630-Pad2): F630.2 TP630.1 TP630.2
Net-(F631-Pad2): F631.2 TP631.1 TP631.2
Net-(F632-Pad2): F632.2 TP632.1 TP632.2
Net-(F1193-Pad1): F1193.1 U1.3 U1.4
Net-(F1193-Pad2): F1193.2 U1.1 U1.2
Net-(F1194-Pad1): F1194.1 U4.3 U4.4
Net-(F1194-Pad2): F1194.2 U4.1 U4.2
Net-(F1195-Pad1): F1195.1 U2.3 U2.4
Net-(F1195-Pad2): F1195.2 U2.1 U2.2
Net-(F1196-Pad1): F1196.1 U5.3 U5.4
Net-(F1196-Pad2): F1196.2 U5.1 U5.2
Net-(F1197-Pad1): F1197.1 U3.3 U3.4
Net-(F1197-Pad2): F1197.2 U3.1 U3.2
Net-(F1198-Pad1): F1198.1 U6.3 U6.4
Net-(F1198-Pad2): F1198.2 U6.1 U6.2
Net-(J2-Pad1): J2.1 U1.7
Net-(J3-Pad1): J3.1 U4.7
Net-(J6-Pad1): J6.1 U2.7
Net-(J7-Pad1): J7.1 U5.7
Net-(J10-Pad1): J10.1 U3.7
Net-(J11-Pad1): J11.1 U6.7

## Via types
v1: diameter 0.599, hole 0.3, Top to Bottom, 28 vias

## Routing (per net, layer and track width the routed paths; a pad name or vN(x,y) marks a point on that pad's centre or on a via; arc(x,y) is an arc through that point)
/GND: length 40.3
  Top w0.61: v1(93,32) 92.91,31.91 U1.5 ; v1(93,32) C1.2 ; v1(93,32) 95.05,29.95 C3.2 ; C6.2 v1(110,16) ; v1(110,16) F1393.1 ; v1(110,16) 112.05,13.95 C8.2 ; v1(110,16) 109.91,15.91 U5.5 ; U6.5 126.91,15.91 v1(127,16) ; U4.5 92.91,15.91 v1(93,16) ; U2.5 109.91,31.91 v1(110,32) ; v1(110,32) 112.05,29.95 C7.2 ; v1(110,32) C5.2 ; C12.2 129.05,13.95 v1(127,16) ; v1(127,16) C10.2 ; v1(93,16) 95.05,13.95 C4.2 ; v1(93,16) C2.2
  vias: v1(79.9,159.7) v1(80.3,85.8) v1(80.5,164) v1(80.9,62.1) v1(81,113) v1(82.1,118.7) v1(82.4,124) v1(82.8,91.1) v1(83,96.4) v1(83.3,102.2) v1(90.7,60.6) v1(93.6,44.7) v1(95.5,117.2) v1(98.7,171.1) v1(116.9,150) v1(119.2,171.1) v1(122.3,156.1) v1(129.3,57.9) v1(131.4,124.7) v1(132.9,146.5) v1(133.2,96.6) v1(133.5,84.6) v1(133.7,153)
/VCC: length 108.1
  Top w0.61: C5.1 108.28,33.23 122.82,33.23 C9.1 123.09,31.04 U3.8 ; C5.1 106.09,31.04 U2.8 ; C5.1 105.82,33.23 91.28,33.23 C1.1 89.09,31.04 U1.8 ; C5.1 100,24.95 100,19 ; U4.8 89.09,15.04 C2.1 91.28,17.23 98.23,17.23 100,19 ; 100,19 F1385.1 104.26,16 104.26,15.31 U5.8 106.09,15.04 C6.1 109.05,18 122.05,18 C10.1 123.09,15.04 U6.8
Net-(C3-Pad1): length 8.4
  Top w0.61: J4.1 C3.1 95.94,27.99 92.48,27.99 91.63,28.84 U1.6
Net-(C4-Pad1): length 8.4
  Top w0.61: J5.1 C4.1 95.94,11.99 92.48,11.99 91.63,12.84 U4.6
Net-(C7-Pad1): length 8.4
  Top w0.61: U2.6 108.63,28.84 109.48,27.99 112.94,27.99 C7.1 J8.1
Net-(C8-Pad1): length 8.4
  Top w0.61: J9.1 C8.1 112.94,11.99 109.48,11.99 108.63,12.84 U5.6
Net-(C11-Pad1): length 8.4
  Top w0.61: U3.6 125.63,28.84 126.48,27.99 129.94,27.99 C11.1 J12.1
Net-(C12-Pad1): length 8.4
  Top w0.61: U6.6 125.63,12.84 126.48,11.99 129.94,11.99 C12.1 J13.1
Net-(F101-Pad1): length 34.4
  Top w0.61: TP101.1 TP101.2 12.8,190.8 33.4,190.8 34.65,189.55 F101.1 F101.1
Net-(F101-Pad2): length 107.7
  Top w0.61: F401.1 112.55,187.65 107.9,183 J1.c1-1 99,183 97,181 87,181 78.14,189.86 47.36,189.86 46.35,188.85 F101.2 F101.2
  Bottom w0.61: 142.77,187.65 F401.1 139.07,187.65
Net-(F102-Pad1): length 33.2
  Top w0.61: TP102.1 TP102.2 12.41,184.87 22.5,184.87 23.47,183.9 32.2,183.9 33.45,182.65 F102.1 F102.1
Net-(F102-Pad2): length 104
  Top w0.61: F402.1 130.25,182.15 130.2,182.2 129.1,181.1 111,181.1 108.9,179 J1.c1-2 84.93,179 80.14,183.79 62.83,183.79 61.69,182.65 F102.2 F102.2
  Bottom w0.61: 139.07,182.15 F402.1 142.77,182.15
Net-(F103-Pad1): length 33.2
  Top w0.61: TP103.1 TP103.2 12.3,179.34 22.51,179.34 23.45,178.4 32,178.4 33.25,177.15 F103.1 F103.1
Net-(F103-Pad2): length 104.3
  Top w0.61: F103.2 F103.2 61.69,177.15 62.82,178.29 79.71,178.29 83.15,174.85 J1.c1-3 108.95,174.85 110.7,173.1 123.8,173.1 127.35,176.65 F403.1
  Bottom w0.61: 142.77,176.65 F403.1 139.07,176.65
Net-(F104-Pad1): length 33.2
  Top w0.61: TP104.1 TP104.2 12.36,173.87 22.46,173.87 23.43,172.9 33.4,172.9 F104.1 F104.1
Net-(F104-Pad2): length 103.1
  Top w0.61: F104.2 F104.2 61.69,171.65 62.83,172.79 100.35,172.79 102.14,171 J1.c1-4 109,171 110.9,169.1 127.8,169.1 129.9,171.2 129.95,171.15 F404.1
  Bottom w0.61: 139.07,171.15 F404.1 142.77,171.15
Net-(F105-Pad1): length 33.2
  Top w0.61: F105.1 F105.1 33.35,166.15 32.1,167.4 23.45,167.4 22.53,168.32 12.32,168.32 TP105.2 TP105.1
Net-(F105-Pad2): length 102.1
  Top w0.61: F105.2 F105.2 61.69,166.15 62.85,167.32 101.82,167.32 102.14,167 J1.c1-5 109,167 111.1,164.9 121.7,164.9 122.45,165.65 F405.1
  Bottom w0.61: F405.1 F405.1 139.07,165.65
Net-(F106-Pad1): length 33.2
  Top w0.61: TP106.1 TP106.2 12.41,162.87 22.5,162.87 23.47,161.9 31.8,161.9 33.05,160.65 F106.1 F106.1
Net-(F106-Pad2): length 102.4
  Top w0.61: F106.2 F106.2 61.69,160.65 62.97,161.93 82.07,161.93 83.14,163 J1.c1-6 109.2,163 111.2,161 116.3,161 117.15,160.15 F406.1
  Bottom w0.61: 142.77,160.15 F406.1 139.07,160.15
Net-(F107-Pad1): length 33.2
  Top w0.61: TP107.1 TP107.2 12.3,157.34 22.51,157.34 23.45,156.4 32.2,156.4 33.45,155.15 F107.1 F107.1
Net-(F107-Pad2): length 103.6
  Top w0.61: F407.1 117.95,154.65 115.6,157 110.95,157 108.95,159 J1.c1-7 83.13,159 80.56,156.43 62.97,156.43 61.69,155.15 F107.2 F107.2
  Bottom w0.61: 139.07,154.65 F407.1 142.77,154.65
